# Altium PCB TFT-ES32-V1.PcbDoc (part 2 of 2)
Units mm, origin at the board's own origin, x right, y up, seen from the top; angles counter-clockwise.
Board outline 131.19 x 86.49 mm, 2 copper layers (Top Layer, Bottom Layer); 160 components, 114 nets, 561 pads, 168 vias.
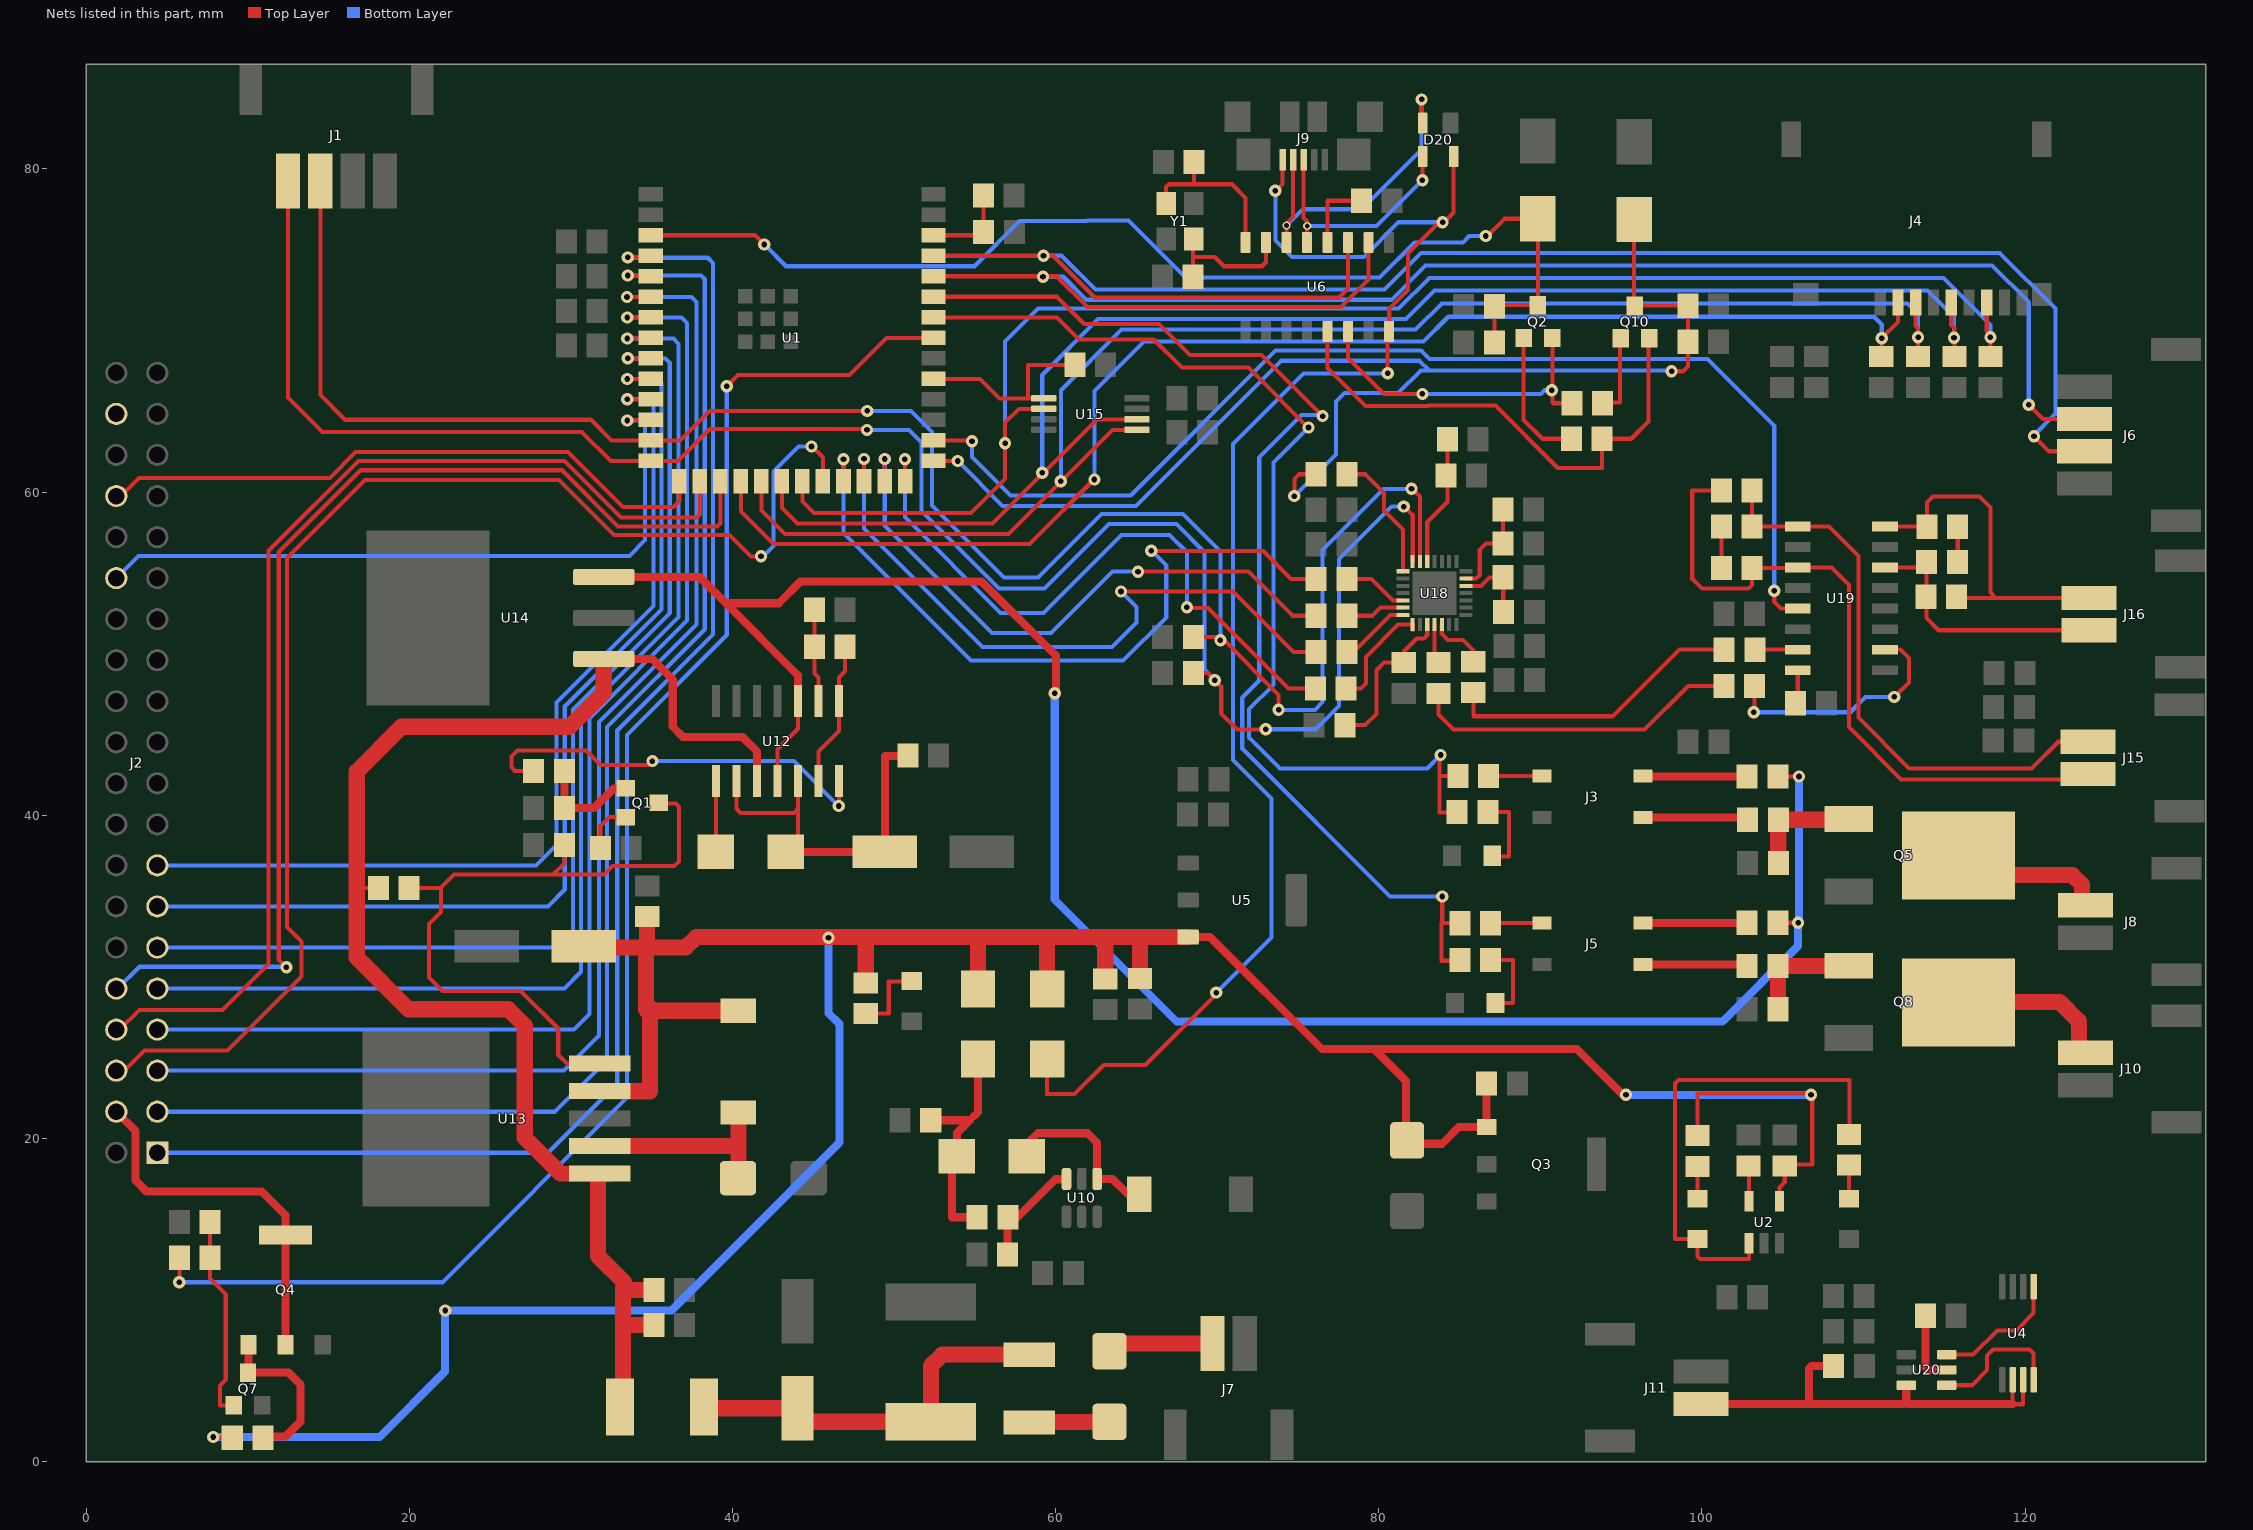
[diagram p2: the nets of this part, all layers, seen from the top]

## Via types
v1: diameter 0.756, hole 0.35, Top Layer to Bottom Layer, 162 vias
v2: diameter 4.216/4.216 (per signal layer), hole 3.2, Top Layer to Bottom Layer, 4 vias
v3: diameter 0.5, hole 0.3, Top Layer to Bottom Layer, 2 vias

## Nets (pads, with @x,y where several pads share a name; then routed paths per layer and width w, separated by ;. In a path a pad name is that pad's centre, name@x,y a point inside that pad or via, vN(x,y) a via of type N, cw(c..) or ccw(c..) an arc to the next point about the centre after c; other vN are vias at no path point) (continued)
NetC6_2: C6.2 J11.2 U4.2 U4.3 U20.6 | length 27.7
  Top Layer w0.254: U4.2@119.225,4.845 119.216,4.836 119.216,3.575 119.216,3.55 119.875,3.55 U4.3@119.875,5.07
  Top Layer w0.5: J11.2@99.95,3.575 106.625,3.575 ; C6.2@108.15,5.925 106.775,5.925 106.625,5.775 106.625,3.575 ; U20.6@112.64,4.725 112.64,3.715 ; 119.216,3.575 112.78,3.575 112.64,3.715 ; 106.625,3.575 112.5,3.575 112.64,3.715
NetC11_2: C11.2 FLASH.1 Q2.3 R18.1 U1.3 | length 70.1
  Top Layer w0.254: U1.3@34.95,75.895 41.405,75.895 v1(41.975,75.325) ; v1@86.65,75.775 87.787,76.912 FLASH.1@89.825,76.912 89.85,76.887 Q2.3@89.85,71.566 87.216,71.566 C11.2@87.15,71.5 R18.1@87.15,69.25
  Bottom Layer w0.254: v1(41.975,75.325) 43.325,73.975 54.975,73.975 57.775,76.775 61.927,76.775 61.961,76.809 64.516,76.809 68.05,73.275 80.05,73.275 82.225,75.45 85.2,75.45 85.6,75.85 v1(86.62,75.85)
NetC21_2: C21.2 Q10.3 R2.1 R60.1 RESET.1 U1.27 | length 80.2
  Top Layer w0.254: U1.27@52.45,61.925 v1(53.95,61.925) ; v1(74.775,59.75) 74.775,60.8 75.075,61.1 R60.1@76.125,61.1 ; RESET.1@95.8,76.862 95.8,71.691 Q10.3@95.9,71.591 ; Q10.3@95.85,71.541 99.109,71.541 C21.2@99.125,71.525 99.125,67.775 98.825,67.475 v1(98.12,67.475)
  Bottom Layer w0.254: v1(53.95,61.925) 56.725,59.15 64.975,59.15 73.95,68.125 82,68.125 82.525,68.125 83.125,67.525 ; v1(74.775,59.75) 77.35,62.325 77.35,65.6 77.875,66.125 81.2,66.125 82.6,67.525 83.125,67.525 ; v1@98.05,67.525 83.125,67.525
NetC50_1: C50.1 F1.2 L10.1 RT1.2 | length 24.3
  Top Layer w0.254: L10.1@38.243,3.379 L10.1@38.322,3.3 ; C50.1@44.025,3.3 C50.1@44.86,2.465
  Top Layer w1: L10.1@38.322,3.3 C50.1@44.025,3.3 ; C50.1@44.86,2.465 RT1.2@52.28,2.465 52.28,5.919 52.983,6.622 F1.2@58.376,6.622
NetC57_1: C57.1 D11.2 R46.2 U12.2 U12.5 | length 23.9
  Top Layer w0.254: U12.2@40.247,42.129 40.247,40.402 40.501,40.148 43.803,40.148 44.057,40.402 ; D11.2@43.301,37.735 44.057,38.491 44.057,40.402 ; U12.5@44.057,42.129 44.057,40.402 ; R46.2@50.806,43.656 R46.2@50.854,43.704
  Top Layer w0.5: D11.2@43.301,37.735 C57.1@49.439,37.735 49.439,43.656 R46.2@50.806,43.656
NetC60_2: C60.2 U6.4 | length 4.7
  Top Layer w0.254: U6.4@76.835,75.444 76.835,78.028 C60.2@78.933,78.028
NetC61_2: C61.2 U6.7 Y1.1 | length 8.4
  Top Layer w0.254: C61.2@68.514,73.329 68.514,74.55 ; Y1.1@68.541,75.658 68.514,75.631 68.514,74.55 ; U6.7@73.025,75.444 73.025,74.225 72.775,73.975 70.425,73.975 69.85,74.55 68.514,74.55
NetC62_2: C62.2 U6.8 Y1.3 | length 10.5
  Top Layer w0.254: Y1.3@66.841,77.858 66.841,78.878 67.013,79.05 68.6,79.05 ; C62.2@68.575,80.425 68.575,79.075 68.6,79.05 ; U6.8@71.755,75.444 71.755,78.199 70.904,79.05 68.6,79.05
NetC74_1: C74.1 U18.12 | length 3.6
  Top Layer w0.254: U18.12@83.9,51.8 83.9,51.225 84.275,50.85 85.2,50.85 85.85,50.2 C74.1@85.85,49.5
NetC74_2: C74.2 R70.1 | length 18.7
  Top Layer w0.254: C74.2@85.85,47.6 85.85,46.125 94.475,46.125 98.6,50.25 R70.1@101.375,50.25
NetC75_1: C75.1 U18.11 | length 2.5
  Top Layer w0.254: U18.11@83.45,51.8 83.45,50.1 83.7,49.85 C75.1@83.7,49.45
NetC75_2: C75.2 R71.1 | length 20.5
  Top Layer w0.254: C75.2@83.7,47.55 83.7,46.225 84.625,45.3 96.45,45.3 99.15,48 R71.1@101.35,48
NetC76_2: C76.2 C77.2 U18.20 | length 6.2
  Top Layer w0.254: U18.20@85.4,54.65 86.025,54.65 86.25,54.875 86.25,56.45 86.625,56.825 C76.2@87.675,56.825 C77.2@87.675,58.925
NetC78_2: C78.2 C79.2 U18.19 | length 4.7
  Top Layer w0.254: U18.19@85.4,54.2 86.325,54.2 86.85,54.725 C78.2@87.7,54.725 87.7,52.6 C79.2@87.725,52.575
NetC80_2: C80.2 C81.2 U18.10 | length 10.1
  Top Layer w0.254: C81.2@77.9,45.575 79.15,45.575 79.85,46.275 79.85,48.975 80.325,49.45 C80.2@81.55,49.45 81.55,50.15 82.35,50.95 82.8,50.95 83,51.15 U18.10@83,51.8
NetC86_1: C86.1 U19.8 | length 2.1
  Top Layer w0.254: C86.1@105.8,46.925 105.925,47.05 U19.8@105.925,48.98
NetC87_1: C87.1 C89.2 J15.2 U19.1 | length 35.8
  Top Layer w0.254: C89.2@103.1,60.1 C87.1@103.1,57.875 105.92,57.875 U19.1@105.925,57.87 107.855,57.87 109.675,56.05 109.675,46.05 112.825,42.9 120.4,42.9 122.05,44.55 J15.2@123.9,44.55
NetC87_2: C87.2 C88.1 | length 2.6
  Top Layer w0.254: C88.1@101.2,55.3 C87.2@101.2,57.875
NetC88_2: C88.2 C89.1 J15.1 U19.3 | length 43.9
  Top Layer w0.254: C89.1@101.2,60.1 99.4,60.1 99.4,54.625 100,54.025 102.875,54.025 103.1,54.25 C88.2@103.1,55.3 105.895,55.3 U19.3@105.925,55.33 108.02,55.33 109.1,54.25 109.1,45.45 112.325,42.225 123.575,42.225 J15.1@123.9,42.55
NetC94_1: C94.1 C96.2 | length 2.2
  Top Layer w0.254: C96.2@115.8,55.675 115.825,55.7 C94.1@115.825,57.85
NetC94_2: C94.2 C95.2 J16.2 U19.16 | length 22.4
  Top Layer w0.254: U19.16@111.325,57.87 C94.2@113.925,57.87 ; C94.2@113.925,57.85 C94.2@113.925,57.87 ; C95.2@115.75,53.525 115.825,53.45 118.175,53.45 ; J16.2@123.95,53.45 118.175,53.45 ; C94.2@113.925,57.87 113.925,59.35 114.3,59.725 117.175,59.725 117.85,59.05 117.85,53.775 118.175,53.45
NetC95_1: C95.1 C96.1 J16.1 U19.14 | length 16.5
  Top Layer w0.254: U19.14@111.325,55.33 C96.1@113.9,55.33 ; C95.1@113.85,53.525 C95.1@113.9,53.575 ; C96.1@113.9,55.675 C96.1@113.9,55.33 ; J16.1@123.95,51.45 114.65,51.45 113.9,52.2 C95.1@113.9,53.575 ; C95.1@113.9,53.575 C96.1@113.9,55.33
NetD1_A: D1.A J7.1 | length 6.6
  Top Layer w0.254: D1.A@63.329,6.834 D1.A@63.811,7.316
  Top Layer w1: D1.A@63.811,7.316 J7.1@69.711,7.316
NetD1_C: D1.C F1.1 | length 5
  Top Layer w0.254: F1.1@58.376,2.422 F1.1@58.418,2.464
  Top Layer w1: F1.1@58.418,2.464 D1.C@63.329,2.464
NetD2_1: D2.1 R3.2 | length 2
  Top Layer w0.254: D2.1@99.725,16.275 R3.2@99.725,18.275
NetD2_2: D2.2 R4.1 U2.1 | length 30.6
  Top Layer w0.254: U2.1@102.91,13.53 102.91,12.55 99.875,12.55 99.725,12.7 D2.2@99.725,13.775 98.325,13.775 98.325,23.4 98.55,23.625 109.125,23.625 109.125,20.275 R4.1@109.1,20.25
NetD3_1: D3.1 R4.2 | length 2.1
  Top Layer w0.254: D3.1@109.1,16.275 R4.2@109.1,18.35
NetD5_C: D5.C L11.1 U13.2 | length 12.7
  Top Layer w0.254: 40.198,19.525 40.374,19.701 ; D5.C@40.348,17.542 D5.C@40.374,17.568
  Top Layer w1: U13.2@31.788,19.525 40.198,19.525 ; D5.C@40.374,17.568 40.374,19.701 L11.1@40.374,21.606
NetD11_1: D11.1 U12.1 | length 4.4
  Top Layer w0.254: D11.1@38.971,37.735 38.977,37.741 U12.1@38.977,42.129
NetD12_1: D12.1 R15.2 | length 5.1
  Top Layer w0.254: R15.2@86.75,40.2 88.05,40.2 88.05,37.45 87.075,37.45 D12.1@87.025,37.5
NetD14_1: D14.1 R42.1 | length 5.1
  Top Layer w0.254: R42.1@86.925,31.05 88.3,31.05 88.3,28.4 88.275,28.375 D14.1@87.225,28.375
NetD20_2: D20.2 J9.2 U6.6 | length 20.1
  Top Layer w0.254: U6.6@74.295,75.444 v3(74.295,76.5) 74.295,76.631 74.7,77.036 J9.2@74.7,80.56 ; v1(82.65,84.3) 82.65,82.89 D20.2@82.715,82.825
  Bottom Layer w0.254: v3(74.295,76.5) 75.3,77.505 78.955,77.505 82.65,81.2 v1@82.65,84.25
NetD20_3: D20.3 J9.3 U6.5 | length 15
  Top Layer w0.254: J9.3@75.35,80.56 75.35,76.973 75.565,76.758 U6.5@75.565,75.444 ; v1(82.7,79.3) 82.7,80.76 D20.3@82.715,80.775
  Bottom Layer w0.254: v3(75.575,76.475) 79.85,76.475 v1@82.725,79.35
NetD700_1: D700.1 L20.2 U10.1 | length 11.2
  Top Layer w0.5: D700.1@58.24,18.55 58.24,19.665 58.9,20.325 61.975,20.325 62.575,19.725 U10.1@62.575,17.495 63.53,17.495 64.475,16.55 L20.2@65.175,16.55
NetDS1_1: DS1.1 R1.1 | length 4.9
  Top Layer w0.254: R1.1@48.25,27.725 49.675,27.725 49.675,29.725 51.07,29.725 DS1.1@51.093,29.748
NetJ1_3: J1.3 R66.1 U1.13 U18.27 | length 118.1
  Top Layer w0.254: J1.3@14.5,79.25 14.5,66 16.025,64.475 31.25,64.475 32.53,63.195 U1.13@34.95,63.195 36.745,63.195 38.575,65.025 v1(48.35,65.025) 48.35,65 v1@48.525,64.825 ; R66.1@68.525,51.025 70.225,51.025 73.8,47.45 v1(73.8,46.525) ; v1@82.05,60.225 82.55,59.725 U18.27@82.55,55.7
  Bottom Layer w0.254: v1(48.35,65.025) 51.05,65.025 52.35,63.725 52.35,59.175 56.8,54.725 58.925,54.725 62.85,58.65 67.875,58.65 70.2,56.325 70.2,51 v1@70.4,50.8 ; v1(73.8,46.525) 76.05,46.525 76.525,47 76.525,56.425 80.3,60.2 v1(82.025,60.2)
  other v1: 70.2,50.825
NetJ1_4: J1.4 R65.1 U1.14 U18.28 | length 120
  Top Layer w0.254: J1.4@12.5,79.25 12.5,65.85 14.625,63.725 30.675,63.725 32.475,61.925 U1.14@34.95,61.925 36.625,61.925 38.6,63.9 v1@48.375,63.9 ; R65.1@68.525,48.8 69.425,48.8 70.25,47.975 70.25,46.3 71.25,45.3 72.975,45.3 v1(73,45.325) ; v1@81.575,59.1 82.1,58.575 U18.28@82.1,55.7
  Bottom Layer w0.254: v1(48.325,63.85) 50.925,63.85 51.7,63.075 51.7,58.825 56.5,54.025 59.3,54.025 63.3,58.025 67.475,58.025 69.225,56.275 69.225,49.025 v1@69.875,48.375 ; v1@72.825,45.325 v1(73,45.325) 76.125,45.325 77.55,46.75 77.55,55.85 80.8,59.1 v1(81.55,59.1)
  other v1: 69.85,48.35
NetJ2_01: J2.01 U1.4 | length 90.6
  Top Layer w0.254: v1(33.525,74.525) 34.85,74.525 U1.4@34.95,74.625
  Bottom Layer w0.254: J2.01@4.415,19.115 28.59,19.115 32.875,23.4 32.875,45.25 38.8,51.175 38.8,74.175 38.475,74.5 33.525,74.5 v1@33.375,74.65
NetJ2_03: J2.03 U1.5 | length 86.3
  Top Layer w0.254: v1(33.525,73.405) U1.5@34.95,73.405
  Bottom Layer w0.254: J2.03@4.415,21.655 29.03,21.655 32.242,24.867 32.242,45.46 38.292,51.51 38.292,73.171 38.058,73.405 v1(33.525,73.405)
NetJ2_04: J2.04 Q4.2 Q4.4 | length 22.9
  Top Layer w0.5: J2.04@1.875,21.655 3.075,20.455 3.075,17.4 3.75,16.725 10.875,16.725 12.35,15.25 Q4.4@12.35,14.025 Q4.2@12.35,7.225
NetJ2_05: J2.05 U1.6 | length 82
  Top Layer w0.254: v1(33.475,72.075) 34.94,72.075 U1.6@34.95,72.085
  Bottom Layer w0.254: J2.05@4.415,24.195 29.57,24.195 31.734,26.359 31.734,45.759 37.784,51.809 37.784,71.766 37.475,72.075 v1(33.475,72.075)
NetJ2_06: J2.06 U1.22 | length 84.7
  Top Layer w0.254: J2.06@1.875,24.195 2.37,24.195 3.625,25.45 8.75,25.45 13.325,30.025 13.325,32.2 12.433,33.092 12.433,55.908 17.275,60.75 29.275,60.75 32.675,57.35 39.825,57.35 41.15,56.025 v1(41.775,56.025) ; v1(44.9,62.825) 44.935,62.825 45.605,62.155 U1.22@45.605,60.675
  Bottom Layer w0.254: J2.06@1.875,24.195 J2.06@2.07,24.195 ; v1(41.775,56.025) 41.9,56.025 42.55,56.675 42.55,61.275 44.1,62.825 v1(44.9,62.825)
NetJ2_07: J2.07 U1.7 | length 77.6
  Top Layer w0.254: v1@33.515,70.815 U1.7@34.9,70.815
  Bottom Layer w0.254: J2.07@4.415,26.735 30.185,26.735 31.15,27.7 31.15,46 37.2,52.05 37.2,70.45 36.85,70.8 v1(33.5,70.8)
NetJ2_08: J2.08 U1.16 | length 69.3
  Top Layer w0.254: J2.08@1.875,26.735 2.085,26.735 3.3,27.95 8.45,27.95 11.3,30.8 11.3,56.368 16.857,61.925 29.6,61.925 33.1,58.425 37.795,58.425 37.995,58.625 37.985,58.625 U1.16@37.985,60.675
  Bottom Layer w0.254: J2.08@1.875,26.735 J2.08@1.91,26.735
NetJ2_09: J2.09 U1.8 | length 72.9
  Top Layer w0.254: v1(33.5,69.5) 35,69.5 U1.8@35,69.525
  Bottom Layer w0.254: J2.09@4.415,29.275 29.6,29.275 30.642,30.317 30.642,46.242 36.675,52.275 36.675,69.175 36.35,69.5 v1(33.5,69.5)
NetJ2_10: J2.10 U1.17 | length 70.6
  Top Layer w0.254: v1(12.4,30.6) 11.925,31.075 11.925,56.275 17,61.35 29.45,61.35 32.925,57.875 39.06,57.875 39.255,58.07 U1.17@39.255,60.675
  Bottom Layer w0.254: J2.10@1.875,29.275 1.95,29.275 3.3,30.625 v1@12.475,30.625
NetJ2_11: J2.11 U1.9 | length 68.3
  Top Layer w0.254: v1(33.525,68.275) U1.9@34.95,68.275
  Bottom Layer w0.254: J2.11@4.415,31.815 29.79,31.815 30.134,32.159 30.134,46.534 36.125,52.525 36.125,68 35.85,68.275 v1(33.525,68.275)
NetJ2_13: J2.13 U1.10 | length 63.1
  Top Layer w0.254: v1@33.5,67.005 U1.10@34.95,67.005
  Bottom Layer w0.254: J2.13@4.415,34.355 28.58,34.355 29.626,35.401 29.626,46.744 35.617,52.735 35.617,66.725 35.342,67 v1(33.5,67)
NetJ2_15: J2.15 U1.11 | length 58.2
  Top Layer w0.254: v1@33.5,65.735 U1.11@34.95,65.735
  Bottom Layer w0.254: J2.15@4.415,36.895 27.845,36.895 29.118,38.168 29.118,46.968 35.109,52.959 35.109,65.416 34.775,65.75 v1(33.5,65.75)
NetJ2_30: J2.30 U1.12 | length 43.5
  Top Layer w0.254: v1@33.5,64.465 U1.12@34.95,64.465
  Bottom Layer w0.254: J2.30@1.875,54.675 3.25,56.05 33.625,56.05 34.6,57.025 34.6,64.25 34.425,64.425 v1(33.5,64.425)
NetJ2_34: J2.34 U1.15 | length 38.8
  Top Layer w0.254: J2.34@1.875,59.755 2.155,59.755 3.275,60.875 15.088,60.875 16.688,62.475 29.832,62.475 33.232,59.075 36.355,59.075 36.73,59.45 36.715,59.45 U1.15@36.715,60.675
NetJ2_38: J2.38
NetJ3_ANODE: J3.ANODE R13.2 | length 3.3
  Top Layer w0.254: R13.2@86.8,42.425 J3.ANODE@90.1,42.425
NetJ3_COLLECTOR: J3.COLLECTOR R14.1 | length 6.5
  Top Layer w0.5: J3.COLLECTOR@96.35,42.425 96.375,42.4 R14.1@102.8,42.4
NetJ3_EMITTER: J3.EMITTER R16.1 | length 6.5
  Top Layer w0.254: R16.1@102.675,39.875 R16.1@102.825,39.725
  Top Layer w0.5: J3.EMITTER@96.35,39.875 R16.1@102.675,39.875
NetJ4_2: J4.2 R20.1 U1.18 | length 87.2
  Top Layer w0.254: U1.18@40.525,60.675 40.525,58.8 42.55,56.775 58.375,56.775 v1@62.425,60.825 ; R20.1@111.1,68.375 111.1,69.5 v1(111.125,69.525) 112.125,70.525 J4.2@112.125,71.725
  Bottom Layer w0.254: v1(62.4,60.775) 62.4,66.25 65.475,69.325 82.775,69.325 84.3,70.85 110.65,70.85 111.125,70.375 v1(111.125,69.525)
NetJ4_3: J4.3 R21.1 U1.19 U15.5 | length 94.4
  Top Layer w0.254: U1.19@41.795,60.675 41.795,58.855 43.25,57.4 57.075,57.4 63.525,63.85 U15.5@65.03,63.85 ; J4.3@113.225,71.725 113.225,70.275 113.375,70.125 v1(113.375,69.575) R21.1@113.375,68.375
  Bottom Layer w0.254: v1(60.325,60.675) 60.325,66.3 64.075,70.05 82.275,70.05 83.9,71.675 112.725,71.675 113.375,71.025 v1(113.375,69.575)
NetJ4_5: J4.5 R17.1 U1.20 U15.6 | length 96.7
  Top Layer w0.254: U1.20@43.065,60.675 43.065,59.01 44.025,58.05 56.1,58.05 62.55,64.5 U15.6@65.03,64.5 ; J4.5@115.425,71.725 115.425,70.35 115.625,70.15 R17.1@115.625,68.375
  Bottom Layer w0.254: v1(59.175,61.2) 59.175,67.25 62.625,70.7 81.675,70.7 83.45,72.475 113.95,72.475 115.6,70.825 v1(115.6,69.55)
NetJ4_7: J4.7 R19.1 U1.21 U15.2 | length 95.5
  Top Layer w0.254: U1.21@44.335,60.675 44.335,59.415 45.05,58.7 54.775,58.7 56.875,60.8 v1(56.875,63.025) 56.875,64.3 57.725,65.15 U15.2@59.27,65.15 ; J4.7@117.625,71.725 117.625,69.95 117.85,69.725 R19.1@117.85,68.375
  Bottom Layer w0.254: v1(56.875,63.025) 56.875,69.325 58.9,71.35 81.225,71.35 83.125,73.25 114.95,73.25 117.85,70.35 v1(117.85,69.575)
NetJ5_ANODE: J5.ANODE R40.1 | length 3.2
  Top Layer w0.254: R40.1@86.925,33.325 J5.ANODE@90.1,33.325
NetJ5_COLLECTOR: J5.COLLECTOR R41.2 | length 6.5
  Top Layer w0.254: R41.2@102.775,33.325 R41.2@102.8,33.35
  Top Layer w0.5: J5.COLLECTOR@96.35,33.325 R41.2@102.775,33.325
NetJ5_EMITTER: J5.EMITTER R49.2 | length 6.5
  Top Layer w0.254: R49.2@102.7,30.775 R49.2@102.8,30.675
  Top Layer w0.5: J5.EMITTER@96.35,30.775 R49.2@102.7,30.775
NetJ6_2: J6.2 U1.37 U6.3 | length 107.6
  Top Layer w0.254: U1.37@52.45,74.625 v1(59.25,74.625) 59.85,74.625 62.45,72.025 77.525,72.025 78.105,72.605 U6.3@78.105,75.444 ; v1(120.55,63.45) 121.475,62.525 J6.2@123.675,62.525
  Bottom Layer w0.254: v1(59.25,74.625) 60.375,74.625 62.459,72.541 80.366,72.541 82.625,74.8 118.425,74.8 121.875,71.35 121.875,64.85 v1@120.5,63.475
NetJ6_3: J6.3 U1.36 U6.2 | length 104.3
  Top Layer w0.254: U1.36@52.45,73.355 60.07,73.355 61.975,71.45 77.675,71.45 79.375,73.15 U6.2@79.375,75.444 ; v1(120.225,65.4) 121.1,64.525 J6.3@123.675,64.525
  Bottom Layer w0.254: v1(59.225,73.325) 60.475,73.325 61.9,71.9 80.775,71.9 82.9,74.025 117.95,74.025 120.225,71.75 v1(120.225,65.4)
NetJ8_2: J8.2 Q5.4 | length 9.5
  Top Layer w1: Q5.4@115.875,37.5 117.075,36.3 122.925,36.3 123.525,35.7 J8.2@123.525,34.6
NetJ10_2: J10.2 Q8.4 | length 10
  Top Layer w0.254: Q8.4@115.875,28.425 Q8.4@115.9,28.45
  Top Layer w1: Q8.4@115.9,28.45 122.125,28.45 123.325,27.25 J10.2@123.325,25.2
NetQ1_1: Q1.1 R43.2 R45.2 | length 6.6
  Top Layer w0.5: R45.2@29.601,42.74 R43.2@29.601,40.454 31.445,40.454 32.655,41.664 Q1.1@33.409,41.664
NetQ1_2: Q1.2 R101.2 | length 3.2
  Top Layer w0.254: R101.2@31.825,37.975 31.825,39.325 32.386,39.886 Q1.2@33.409,39.886
NetQ1_3: Q1.3 R44.2 R100.1 U13.5 | length 44.3
  Top Layer w0.254: R100.1@20,35.5 21.95,35.5 ; R44.2@29.601,38.168 29.601,37.026 28.9,36.325 ; U13.5@31.788,24.625 29.775,24.625 29.225,25.175 29.225,26.8 26.9,29.125 22.05,29.125 21.225,29.95 21.225,33.275 21.975,34.025 21.975,35.5 21.95,35.5 ; Q1.3@35.001,40.725 36.5,40.725 36.7,40.525 36.7,37.15 36.4,36.85 32.575,36.85 32.05,36.325 28.9,36.325 ; 21.95,35.5 22.775,36.325 28.9,36.325
NetQ2_1: Q2.1 R53.2 | length 8.5
  Top Layer w0.254: Q2.1@88.961,69.534 88.961,64.464 90.125,63.3 R53.2@91.925,63.3
NetQ2_2: Q2.2 R54.1 U6.14 | length 20.5
  Top Layer w0.254: U6.14@78.105,69.944 78.105,68.295 80.325,66.075 v1(82.7,66.075) ; Q2.2@90.739,69.534 90.739,65.536 90.775,65.5 R54.1@91.95,65.5
  Bottom Layer w0.254: v1(82.7,66.075) 90.025,66.075 90.25,66.3 v1(90.7,66.3)
NetQ4_1: Q4.1 Q7.3 R24.1 | length 10.3
  Top Layer w0.254: Q7.3@10.025,5.516 Q7.3@10.05,5.541 ; R24.1@10.95,1.475 R24.1@11.025,1.55
  Top Layer w0.5: Q7.3@10.025,5.516 12.534,5.516 13.275,4.775 13.275,2.475 12.35,1.55 R24.1@11.025,1.55 ; Q7.3@10.05,5.541 Q4.1@10.05,7.225
NetQ5_1: Q5.1 R16.2 R23.2 | length 7.1
  Top Layer w0.254: Q5.1@109.059,39.725 Q5.1@109.095,39.761
  Top Layer w1: R23.2@104.725,37.05 R16.2@104.725,39.725 Q5.1@109.059,39.725
NetQ7_1: Q7.1 R28.1 R29.2 | length 12.7
  Top Layer w0.254: R29.2@7.675,14.825 7.675,11.325 8.65,10.35 8.65,5.075 8.291,4.716 8.291,3.484 Q7.1@9.136,3.484
NetQ8_1: Q8.1 R49.1 R51.1 | length 7.1
  Top Layer w0.254: Q8.1@109.084,30.675 Q8.1@109.095,30.686
  Top Layer w1: R51.1@104.7,28 R49.1@104.7,30.675 Q8.1@109.084,30.675
NetQ10_1: Q10.1 R54.2 | length 5.1
  Top Layer w0.254: R54.2@93.85,65.5 93.886,65.536 94.925,65.536 94.925,69.323 Q10.1@95.086,69.484
NetQ10_2: Q10.2 R53.1 U6.13 | length 32.1
  Top Layer w0.254: U6.13@76.835,69.944 76.835,67.665 79.184,65.316 83.014,65.316 83.048,65.35 87.225,65.35 91.075,61.5 93.825,61.5 R53.1@93.825,63.3 95.625,63.3 96.7,64.375 96.7,69.32 Q10.2@96.864,69.484
NetR6_2: R6.2 U2.5 | length 2.2
  Top Layer w0.254: R6.2@102.875,18.3 102.91,18.265 U2.5@102.91,16.12
NetR7_1: R7.1 R9.2 U1.38 | length 5.4
  Top Layer w0.254: U1.38@52.45,75.895 55.345,75.895 R9.2@55.55,76.1 55.55,78.325 R7.1@55.525,78.35
NetR8_2: R8.2 U20.2 | length 4.6
  Top Layer w0.5: R8.2@113.825,9.025 113.825,5.825 113.975,5.675 U20.2@115.15,5.675
NetR13_1: R13.1 R15.1 U1.34 | length 65.5
  Top Layer w0.254: U1.34@52.45,70.815 60.085,70.815 61.45,69.45 66.075,69.45 67.825,67.7 71.925,67.7 v1@75.6,64.025 ; v1(83.825,43.725) 83.75,43.65 83.75,42.425 ; R15.1@84.85,40.2 84.825,40.175 83.75,40.175 83.75,42.425 ; R13.1@84.9,42.425 83.75,42.425
  Bottom Layer w0.254: v1(75.65,64) 73.475,61.825 73.475,48.075 71.975,46.575 71.975,44.8 73.875,42.9 83,42.9 v1(83.825,43.725)
NetR28_2: R28.2 U1.33 | length 94.6
  Top Layer w0.254: v1(5.775,11.1) R28.2@5.775,12.625 ; v1(39.65,66.55) 40.35,67.25 47.25,67.25 49.545,69.545 U1.33@52.45,69.545
  Bottom Layer w0.254: v1(5.775,11.1) 22.05,11.1 33.475,22.525 33.475,44.975 39.65,51.15 39.65,66.185 v1@39.41,66.425
NetR40_2: R40.2 R42.2 U1.35 | length 73.1
  Top Layer w0.254: U1.35@52.45,72.085 60.09,72.085 61.775,70.4 66.4,70.4 68.325,68.475 72.75,68.475 v1(76.525,64.7) ; v1(83.925,34.975) 83.925,33.375 83.875,33.325 ; R42.2@85.025,31.05 84.975,31 83.875,31 83.875,33.325 ; R40.2@85.025,33.325 83.875,33.325
  Bottom Layer w0.254: v1(76.525,64.7) 76.466,64.759 75.209,64.759 72.6,62.15 72.6,48.325 71.55,47.275 71.55,44.125 80.7,34.975 v1(83.925,34.975)
NetR45_1: R45.1 U12.7 | length 25.5
  Top Layer w0.254: R45.1@27.701,42.74 26.515,42.74 26.515,42.81 26.325,43 26.325,43.625 26.7,44 30.95,44 31.85,43.1 34.8,43.1 v1(35.05,43.35) ; v1@46.597,40.778 U12.7@46.597,42.129
  Bottom Layer w0.254: v1(35.05,43.35) 43.8,43.35 v1(46.575,40.575)
NetR47_2: R47.2 R48.2 U12.9 | length 5.8
  Top Layer w0.254: R47.2@45.078,52.721 R48.2@45.078,50.435 45.078,48.779 45.327,48.53 U12.9@45.327,47.057
NetR48_1: R48.1 U12.6 U12.8 | length 9
  Top Layer w0.254: U12.6@45.327,42.129 45.327,43.958 46.597,45.228 U12.8@46.597,47.057 46.597,48.53 46.978,48.911 R48.1@46.978,50.435
NetR60_2: R60.2 U18.1 | length 8.1
  Top Layer w0.254: R60.2@78.025,61.1 79.175,61.1 80.325,59.95 80.325,58.85 81.5,57.675 U18.1@81.5,55.1
NetR61_1: R61.1 U1.23 | length 45.7
  Top Layer w0.254: U1.23@46.875,60.675 v1(46.875,62.025) ; v1@65.925,56.35 72.85,56.35 74.575,54.625 R61.1@76.125,54.625
  Bottom Layer w0.254: v1(46.875,62.025) 46.875,57.475 54.775,49.575 64.175,49.575 66.85,52.25 66.85,55.45 v1(65.925,56.375)
NetR61_2: R61.2 U18.5 | length 4
  Top Layer w0.254: R61.2@78.025,54.625 79.55,54.625 80.875,53.3 U18.5@81.5,53.3
NetR62_1: R62.1 U1.24 | length 42.1
  Top Layer w0.254: U1.24@48.145,60.675 v1(48.145,62.055) ; v1(64.05,53.85) 70.975,53.85 74.725,50.1 R62.1@76.125,50.1
  Bottom Layer w0.254: v1(48.145,62.055) 48.145,57.755 55.475,50.425 63.5,50.425 65,51.925 65,52.9 v1(64.05,53.85)
NetR62_2: R62.2 U18.7 | length 4.4
  Top Layer w0.254: R62.2@78.025,50.1 78.425,50.1 80.725,52.4 U18.7@81.5,52.4
NetR63_1: R63.1 U1.25 | length 37.6
  Top Layer w0.254: U1.25@49.415,60.675 v1@49.415,62.01 ; v1(65.1,55.075) 71.925,55.075 74.65,52.35 R63.1@76.125,52.35
  Bottom Layer w0.254: v1(49.425,62.05) 49.425,57.925 56.075,51.275 59.725,51.275 63.525,55.075 v1(65.1,55.075)
NetR63_2: R63.2 U18.6 | length 3.7
  Top Layer w0.254: R63.2@78.025,52.35 79.6,52.35 80.1,52.85 U18.6@81.5,52.85
NetR64_1: R64.1 U1.26 | length 40.7
  Top Layer w0.254: U1.26@50.685,60.675 v1@50.685,62.04 ; v1@68.1,52.825 69.425,52.825 74.4,47.85 R64.1@76.075,47.85
  Bottom Layer w0.254: v1(50.675,62.025) 50.675,58.45 56.6,52.525 59.25,52.525 64.075,57.35 67.05,57.35 68.125,56.275 v1(68.125,52.875)
NetR64_2: R64.2 U18.8 | length 7.1
  Top Layer w0.254: R64.2@77.975,47.85 78.9,47.85 79.2,48.15 79.2,49.8 81.2,51.8 U18.8@82.1,51.8 U18.8@82.1,51.475
NetR67_1: R67.1 R68.1 U18.26 | length 8.1
  Top Layer w0.254: U18.26@83,55.7 83,58.15 84.25,59.4 R68.1@84.25,63.275
NetR70_2: R70.2 U19.7 | length 2.6
  Top Layer w0.254: R70.2@103.275,50.25 U19.7@105.925,50.25
NetR71_2: R71.2 U19.10 | length 15.1
  Top Layer w0.254: v1@103.25,46.45 R71.2@103.25,48 ; U19.10@111.325,50.25 112.275,50.25 112.8,49.725 112.8,48.225 v1(111.9,47.325)
  Bottom Layer w0.254: v1(103.2,46.375) 109.175,46.375 110.125,47.325 v1(111.9,47.325)
NetR90_1: R90.1 U1.31 U15.1 | length 12.3
  Top Layer w0.254: U1.31@52.45,67.005 55.32,67.005 56.525,65.8 58.3,65.8 ; U15.1@59.27,65.8 58.3,65.8 ; R90.1@61.2,67.875 58.3,67.875 58.3,65.8
NetR1000_1: R1000.1 R10122.2 U10.3 | length 6.9
  Top Layer w0.254: R1000.1@57.025,15.1 R1000.1@57.05,15.125 ; U10.3@60.4,17.475 60.42,17.495 U10.3@60.675,17.495
  Top Layer w0.5: R10122.2@57.025,12.825 R1000.1@57.025,15.1 ; R1000.1@57.05,15.125 57.65,15.125 60,17.475 U10.3@60.4,17.475
NetU1_28: U1.28 U19.5 | length 72.1
  Top Layer w0.254: U1.28@52.45,63.195 54.78,63.195 v1(54.825,63.15) ; v1@104.475,53.925 104.475,53.2 104.885,52.79 U19.5@105.925,52.79
  Bottom Layer w0.254: v1@54.825,63.1 54.825,62.175 57.2,59.8 64.65,59.8 73.6,68.75 82.625,68.75 83.141,68.234 100.341,68.234 104.475,64.1 v1(104.475,53.9)
NetU4_4: U4.4 U20.1 | length 8.6
  Top Layer w0.254: U20.1@115.15,4.725 116.7,4.725 117.65,5.675 117.65,6.575 118.025,6.95 120.275,6.95 120.525,6.7 U4.4@120.525,5.07
NetU4_5: U4.5 U20.3 | length 8.1
  Top Layer w0.254: U20.3@115.15,6.625 116.775,6.625 118.275,8.125 119.45,8.125 120.525,9.2 U4.5@120.525,10.83
V_EX: C51.1 C52.2 L10.2 R100.2 U12.3 U13.1 U14.1 | length 91.3
  Top Layer w0.254: 16.75,35.4 16.85,35.5 R100.2@18.1,35.5 ; L10.2@33.043,3.379 L10.2@33.23,3.566 ; 33.23,10.745 33.357,10.618
  Top Layer w0.5: U14.1@32.042,49.673 35.04,49.673 36.31,48.403 36.31,45.482 36.945,44.847 40.628,44.847 41.517,43.958 U12.3@41.517,42.129
  Top Layer w1: U13.1@31.675,17.65 31.675,12.725 33.275,11.125 ; U14.1@32.042,49.673 32.042,47.592 29.925,45.475 19.525,45.475 16.75,42.7 16.75,35.4 16.75,31.2 19.95,28 26.125,28 27.15,26.975 27.15,20.05 29.375,17.825 31.788,17.8 U13.1@32.295,17.795 ; L10.2@33.23,3.566 33.23,8.459 ; 33.23,10.745 33.23,8.459 ; 33.357,10.618 C52.2@35.14,10.618 ; C51.1@35.14,8.459 33.23,8.459
V_EXT_REG: R14.2 R41.1 U12.4 U12.10 U14.3 | length 123.8
  Top Layer w0.254: U12.4@42.787,42.129 42.787,44.085 44.057,45.355 U12.10@44.057,47.057 U12.10@44.047,47.057 ; R41.1@104.7,33.35 v1(105.95,33.35) ; R14.2@104.7,42.4 v1(106,42.4)
  Top Layer w0.5: U14.3@32.042,54.753 37.961,54.753 39.595,53.12 ; U12.10@44.047,47.057 44.047,48.667 39.595,53.12 ; v1@60.025,47.525 60.025,49.875 55.425,54.475 44.225,54.475 42.87,53.12 39.595,53.12
  Bottom Layer w0.254: v1(105.95,33.35) v1@106,33.4
  Bottom Layer w0.5: v1(59.95,47.55) 59.95,34.775 67.5,27.225 101.275,27.225 105.95,31.9 v1(105.95,33.35) ; v1@106,33.4 v1(106,42.4)
V_Reg: C999.2 D4.1 D700.2 R1000.2 | length 14.4
  Top Layer w0.254: D700.2@53.6,18.24 D700.2@53.91,18.55 ; 54.7,21.125 54.963,21.388
  Top Layer w0.5: C999.2@52.275,21.125 54.7,21.125 53.91,20.335 D700.2@53.91,18.55 ; D700.2@53.6,18.24 53.6,15.125 R1000.2@55.15,15.125 ; 54.963,21.388 55.2,21.625 D4.1@55.2,24.91
VBUS: D7.1 D20.4 J9.1 U6.16 | length 95.4
  Top Layer w0.254: D7.1@59.477,24.91 59.477,22.748 61.177,22.748 62.979,24.55 65.55,24.55 v1@69.975,28.975 ; v1@73.625,78.65 74.05,79.075 J9.1@74.05,80.56 ; v1(80.55,67.35) 80.55,69.499 80.75,69.699 80.575,69.874 U6.16@80.645,69.944 ; U6.16@80.65,69.95 80.65,71.35 81.8,72.5 81.8,74.75 83.75,76.7 v1(83.95,76.7) 83.95,76.6 84.635,77.285 D20.4@84.635,80.775
  Bottom Layer w0.254: v1(69.945,29.025) 73.35,32.43 73.35,41.05 70.975,43.425 70.975,62.975 75.35,67.35 v1(80.55,67.35) ; v1(73.6,78.65) 73.6,75.575 74.625,74.55 79.075,74.55 81.225,76.7 v1(83.95,76.7)
VCC: C2.2 C8.1 C10.2 C53.1 C55.2 D4.2 D7.2 D8.A L11.2 Q3.1 R1.2 R3.1 R11.1 R24.2 U2.4 U5.3 U13.4 | length 210.4
  Top Layer w0.254: v1@7.85,1.5 7.875,1.475 R24.2@9.05,1.475 ; C53.1@30.801,31.893 C53.1@30.869,31.825 ; 34.65,31.825 34.725,31.9 ; 34.719,27.906 34.9,28.087 ; 48.2,32.46 48.25,32.41 ; 55.2,32.185 55.475,32.46 ; 59.477,32.312 59.625,32.46 ; 62.775,32.46 63.075,32.16 ; 65.1,32.46 65.225,32.335 ; R3.1@99.725,20.175 99.725,22.775 106.675,22.775 106.825,22.625 106.825,18.4 105.225,18.4 C2.2@105.125,18.3 105.125,17.3 104.79,16.965 U2.4@104.79,16.12
  Top Layer w0.5: U5.3@68.205,32.46 69.565,32.46 76.5,25.525 92.275,25.525 v1@95.175,22.625 ; 79.725,25.5 81.675,23.55 81.675,19.675 83.925,19.675 84.95,20.7 Q3.1@86.675,20.7 R11.1@86.675,23.4
  Top Layer w1: C53.1@30.869,31.825 34.65,31.825 ; U13.4@31.788,22.925 34.9,22.925 34.9,27.906 ; 34.65,27.975 34.65,31.825 ; 34.719,27.906 34.9,27.906 ; 34.725,31.9 C55.2@34.725,33.725 ; 34.9,28.087 34.9,27.906 ; L11.2@40.374,27.906 34.9,27.906 ; R1.2@48.25,29.625 48.25,32.41 ; D4.2@55.2,29.24 55.2,32.185 ; D7.2@59.477,29.24 59.477,32.312 ; C10.2@63.075,29.875 63.075,32.16 ; C8.1@65.225,29.9 65.225,32.335 ; U5.3@68.205,32.46 65.1,32.46 62.775,32.46 59.625,32.46 55.475,32.46 48.2,32.46 37.76,32.46 37.125,31.825 34.65,31.825
  Bottom Layer w0.5: v1(7.875,1.525) 18.175,1.525 22.225,5.575 v1(22.225,9.35) ; v1@22.25,9.35 36.225,9.35 46.625,19.75 46.625,27.075 45.95,27.75 v1(45.95,32.425) ; v1(95.3,22.7) v1(106.75,22.7)
pads on no net: J1.Z1 J1.Z2 J2.12 J2.14 J2.16 J2.17 J2.18 J2.19 J2.20 J2.21 J2.22 J2.23 J2.24 J2.25 J2.26 J2.27 J2.28 J2.29 J2.31 J2.32 J2.33 J2.35 J2.36 J2.37 J2.39 J2.40 J4.1 J4.8 J4.CD J6.Z1 J6.Z2 J7.Z1 J7.Z2 J8.Z1 J8.Z2 J9.4 J9.GND J10.Z1 J10.Z2 J11.Z1 J11.Z2 J15.Z1 J15.Z2 J16.Z1 J16.Z2 U1.29 U1.30 U1.32 U1.39 U4.1 U4.8 U6.9 U6.10 U6.11 U6.12 U6.15 U10.6 U12.12 U12.13 U12.14 U18.9 U18.14 U18.15 U18.21 U18.22 U18.23 U18.24 U18.25 U19.9 U20.4
copper on no net: | length 0.6
  Bottom Layer w0.254: 1.875,31.815 2.015,31.815 ; 1.875,34.355 1.875,34.775
  other v2: 5.37,7.46 126.788,7.46 5.37,81.79 126.788,81.79

## Polygon pours and split planes (outlines as drawn)
GND on Bottom Layer "Bottom Layer-No Net" (solid, pour order 14): 0,86.49 0,0 131.19,0 130.975,0.215 130.975,86.575 61.425,86.575 61.375,86.525 61.375,78.875 20.075,78.875 22.4,81.2 22.4,86.7 0.21,86.7
AGND on Bottom Layer "Bottom Layer-AGND" (solid, pour order 2): 82.025,65.225 75.525,58.725 75.525,46.375 74.275,45.125 74.275,42.125 103.375,42.125 109.1,47.85 110.725,47.85 113.55,50.675 113.55,59.475 107.425,65.6 107.05,65.225
GND on Top Layer "top Layer-No Net" (solid, pour order 20): 0.3,86.35 22.775,86.35 22.775,79.225 23.225,78.775 61.4,78.775 61.4,86.44 61.35,86.49 131.19,86.49 131.19,0 0,0 0,86.49

## Keep-outs
Keep-Out Layer:
  the board outline again, w0.254

## Text inside footprints (layer, text, board x,y; h text height)
J1: Top Overlay "1" at 19.405,82.885 h1.27 r180; Mechanical 13 "1" at 19.405,82.885 h1.27 r180
J6: Top Overlay "1" at 127.31,59.62 h1.27 r90; Mechanical 13 "1" at 127.31,59.62 h1.27 r90
J7: Top Overlay "1" at 69.191,3.931 h1.27; Mechanical 13 "1" at 69.191,3.931 h1.27
J8: Top Overlay "1" at 127.11,31.905 h1.27 r90; Mechanical 13 "1" at 127.11,31.905 h1.27 r90
J10: Top Overlay "1" at 127.11,22.78 h1.27 r90; Mechanical 13 "1" at 127.11,22.78 h1.27 r90
J11: Top Overlay "1" at 96.565,6.095 h1.27 r270; Mechanical 13 "1" at 96.565,6.095 h1.27 r270
J15: Top Overlay "1" at 127.285,42.03 h1.27 r90; Mechanical 13 "1" at 127.285,42.03 h1.27 r90
J16: Top Overlay "1" at 127.335,50.93 h1.27 r90; Mechanical 13 "1" at 127.335,50.93 h1.27 r90
Q5: Mechanical 13 "1" at 111.491,39.917 h0.61 r270; Mechanical 13 "2" at 111.495,37.703 h0.61 r270; Mechanical 13 "3" at 111.494,35.518 h0.61 r270; Mechanical 13 "4" at 115.867,37.831 h0.61 r270
Q8: Mechanical 13 "1" at 111.491,30.842 h0.61 r270; Mechanical 13 "2" at 111.495,28.628 h0.61 r270; Mechanical 13 "3" at 111.494,26.443 h0.61 r270; Mechanical 13 "4" at 115.867,28.756 h0.61 r270